# KiCad board RP2040_Fullsize.kicad_pcb (continued)
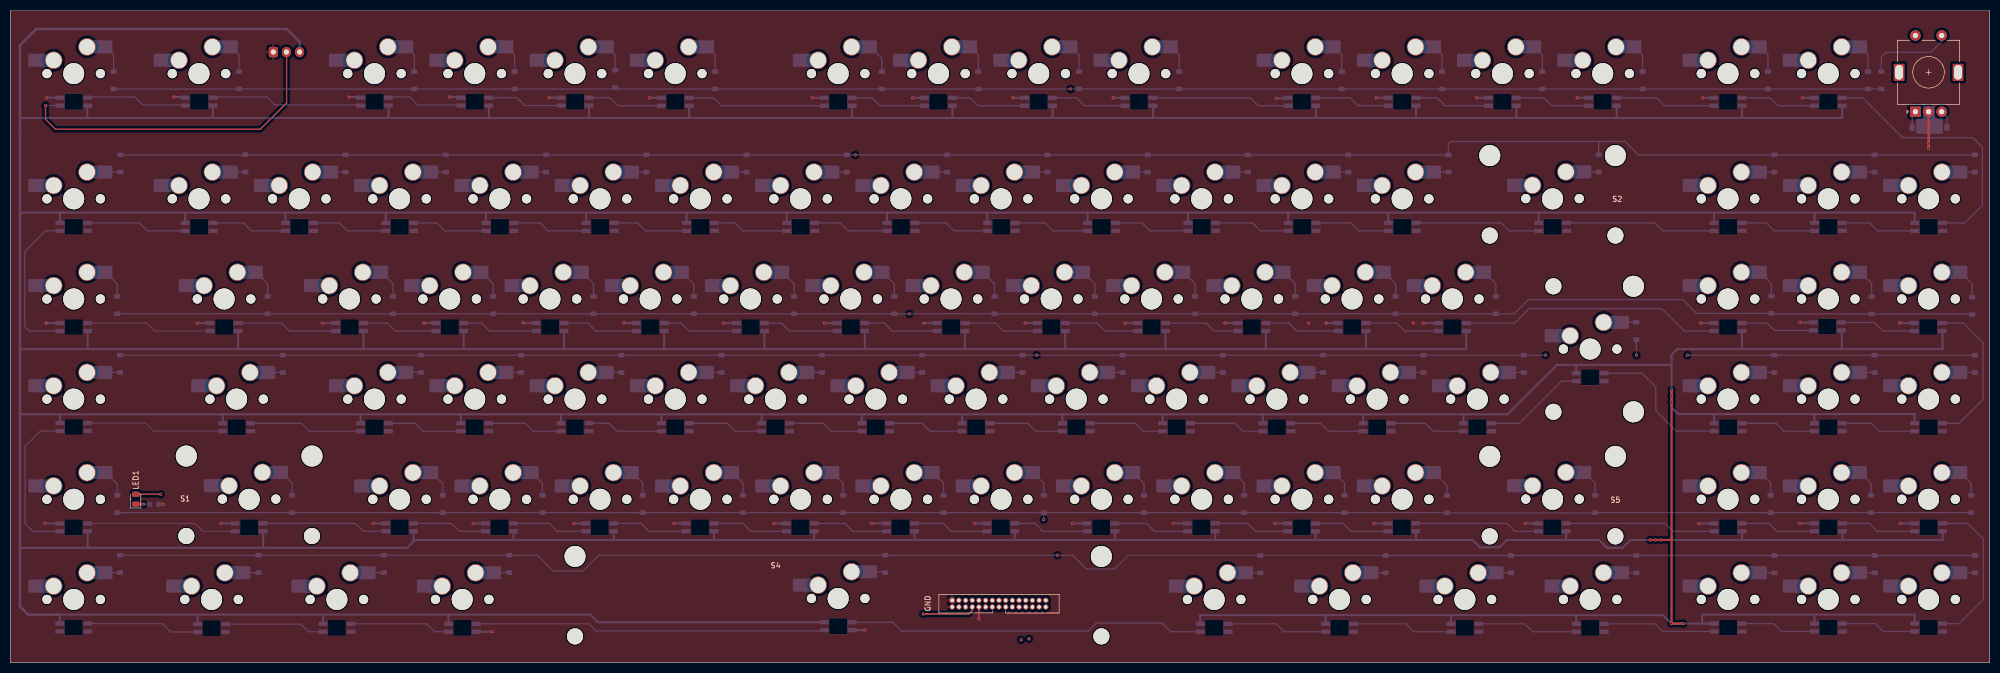
[diagram p0: board, top side]
## Routing (per net, layer and track width the routed paths; a pad name or vN(x,y) marks a point on that pad's centre or on a via; arc(x,y) is an arc through that point) (continued)
Net-(D48-A): length 5.5
  Bottom w0.25: MX48.2 282.21,72.03 D48.2
Net-(D49-A): length 5.4
  Bottom w0.25: MX49.2 334.55,72.08 D49.2
Net-(D50-A): length 5.5
  Bottom w0.25: MX50.2 353.6,72.08 D50.2
Net-(D51-A): length 5.6
  Bottom w0.25: MX51.2 372.71,72.02 D51.2
Net-(D52-A): length 2.7
  Bottom w0.25: MX52.2 20.78,55.17
Net-(D53-A): length 2.7
  Bottom w0.25: MX53.2 51.74,55.17
Net-(D54-A): length 2.7
  Bottom w0.25: MX54.2 77.93,55.17
Net-(D55-A): length 2.7
  Bottom w0.25: MX55.2 96.98,55.17
Net-(D56-A): length 2.7
  Bottom w0.25: MX56.2 116.03,55.17
Net-(D57-A): length 2.7
  Bottom w0.25: MX57.2 135.08,55.17
Net-(D58-A): length 2.7
  Bottom w0.25: MX58.2 154.13,55.17
Net-(D59-A): length 2.7
  Bottom w0.25: MX59.2 173.18,55.17
Net-(D60-A): length 2.7
  Bottom w0.25: MX60.2 192.23,55.17
Net-(D61-A): length 2.7
  Bottom w0.25: MX61.2 211.28,55.17
Net-(D62-A): length 2.7
  Bottom w0.25: MX62.2 230.33,55.17
Net-(D63-A): length 2.7
  Bottom w0.25: MX63.2 249.38,55.17
Net-(D64-A): length 2.7
  Bottom w0.25: 265.74,55.17 268.43,55.17
Net-(D65-A): length 2.7
  Bottom w0.25: MX65.2 287.48,55.17
Net-(D66-A): length 2.7
  Bottom w0.25: MX66.2 308.89,64.69
Net-(D67-A): length 2.7
  Bottom w0.25: MX67.2 335.08,55.17
Net-(D68-A): length 2.7
  Bottom w0.25: MX68.2 354.16,55.17
Net-(D69-A): length 2.7
  Bottom w0.25: MX69.2 373.21,55.17
Net-(D70-A): length 5.2
  Bottom w0.25: D70.2 20.3,33.91 MX70.2
Net-(D71-A): length 5.2
  Bottom w0.25: D71.2 53.5,34.09 51.42,36.17
Net-(D72-A): length 5.2
  Bottom w0.25: MX72.2 82.11,34.01 D72.2
Net-(D73-A): length 5.2
  Bottom w0.25: D73.2 101.06,34.11 MX73.2
Net-(D74-A): length 5.2
  Bottom w0.25: MX74.2 120.11,34.11 D74.2
Net-(D75-A): length 5.2
  Bottom w0.25: MX75.2 139.16,34.11 D75.2
Net-(D76-A): length 5.2
  Bottom w0.25: MX76.2 158.21,34.11 D76.2
Net-(D77-A): length 5.2
  Bottom w0.25: MX77.2 177.26,34.11 D77.2
Net-(D78-A): length 5.2
  Bottom w0.25: MX78.2 196.31,34.11 D78.2
Net-(D79-A): length 5.2
  Bottom w0.25: D79.2 215.36,34.11 MX79.2
Net-(D80-A): length 5.2
  Bottom w0.25: D80.2 234.41,34.11 MX80.2
Net-(D81-A): length 5.2
  Bottom w0.25: MX81.2 253.46,34.11 D81.2
Net-(D82-A): length 5.4
  Bottom w0.25: D82.2 272.9,33.72 MX82.2
Net-(D83-A): length 5.2
  Bottom w0.25: MX83.2 301.09,34.14 D83.2
Net-(D84-A): length 5.2
  Bottom w0.25: MX84.2 334.43,34.11 D84.2
Net-(D85-A): length 5.2
  Bottom w0.25: D85.2 353.47,34.11 MX85.2
Net-(D86-A): length 5.2
  Bottom w0.25: D86.2 372.52,34.11 MX86.2
Net-(D87-A): length 2.7
  Bottom w0.25: MX87.2 20.77,17.07
Net-(D88-A): length 2.8
  Bottom w0.25: MX88.2 47.09,17.07
Net-(D89-A): length 2.8
  Bottom w0.25: MX89.2 70.9,17.07
Net-(D90-A): length 2.8
  Bottom w0.25: MX90.2 94.72,17.07
Net-(D91-A): length 2.7
  Bottom w0.25: 163.3,17.28 166,17.28
Net-(D92-A): length 2.7
  Bottom w0.25: MX92.2 237.44,17.07
Net-(D93-A): length 2.7
  Bottom w0.25: MX93.2 261.26,17.07
Net-(D94-A): length 2.7
  Bottom w0.25: MX94.2 285.07,17.07
Net-(D95-A): length 2.7
  Bottom w0.25: MX95.2 308.88,17.07
Net-(D96-A): length 2.7
  Bottom w0.25: MX96.2 335.13,17.07
Net-(D97-A): length 2.7
  Bottom w0.25: MX97.2 354.18,17.07
Net-(D98-A): length 2.7
  Bottom w0.25: MX98.2 373.23,17.07
Net-(D99-A): length 16.6
  Bottom w0.25: ROTARY1.S1 366.93,118.13 364.88,116.08 356.32,116.08 355.45,115.2 D99.2
Net-(LED1-K): length 2.6
  Top w0.25: LED1.1 25.29,30.13 v1(25.31,30.1)
  Bottom w0.25: 25.31,30.1 26.33,30.1 R11.1
Net-(RGB1-DOUT): length 19.3
  Bottom w0.25: 33.26,106.05 25.07,106.05 23.57,107.55 14.59,107.55
Net-(RGB2-DOUT): length 28.7
  Bottom w0.25: 38.44,107.55 48.73,107.55 50.23,106.05 66.56,106.05
Net-(RGB3-DOUT): length 14.5
  Bottom w0.25: 85.61,106.05 77.33,106.05 75.83,107.55 71.74,107.55
Net-(RGB4-DOUT): length 14.4
  Bottom w0.25: RGB5.4 97.7,105.93 96.2,107.43 RGB4.2
Net-(RGB5-DOUT): length 14.4
  Bottom w0.25: RGB6.4 115.4,105.9 113.88,107.43 RGB5.2
Net-(RGB6-DOUT): length 26.3
  Bottom w0.25: RGB6.2 133.55,107.4 135.05,105.9 RGB7.4
Net-(RGB7-DOUT): length 14.4
  Bottom w0.25: RGB8.4 165.17,105.9 163.67,107.4 RGB7.2
Net-(RGB8-DOUT): length 14.4
  Bottom w0.25: RGB8.2 182.3,107.4 183.8,105.9 RGB9.4
Net-(RGB10-DIN): length 14.4
  Bottom w0.25: RGB10.4 204.05,105.9 202.55,107.4 RGB9.2
Net-(RGB10-DOUT): length 26.3
  Bottom w0.25: RGB11.4 237.1,105.9 235.6,107.4 RGB10.2
Net-(RGB11-DOUT): length 14.4
  Bottom w0.25: RGB12.4 256,105.9 254.5,107.4 RGB11.2
Net-(RGB12-DOUT): length 14.4
  Bottom w0.25: RGB13.4 272.55,105.9 271.05,107.4 RGB12.2
Net-(RGB13-DOUT): length 14.4
  Bottom w0.25: RGB14.4 292.8,105.9 291.3,107.4 RGB13.2
Net-(RGB14-DOUT): length 19.1
  Bottom w0.25: RGB14.2 312.8,107.4 314.3,105.9 RGB15.4
Net-(RGB15-DOUT): length 14.4
  Bottom w0.25: RGB15.2 334.3,107.4 335.8,105.9 RGB16.4
Net-(RGB16-DOUT): length 50.5
  Bottom w0.25: RGB16.2 351.9,107.4 359.5,99.8 372.85,99.8 374.65,98 374.65,86.95 371.3,83.6 RGB34.4
Net-(RGB17-DIN): length 19.1
  Bottom w0.25: RGB17.4 24.5,83.6 26,82.1 RGB18.2
Net-(RGB17-DOUT): length 29.6
  Bottom w0.25: RGB17.2 6.7,82.1 2.7,78.1 2.7,63.9 3.55,63.05 RGB35.4
Net-(RGB18-DIN): length 14.4
  Bottom w0.25: RGB18.4 44.3,83.6 45.8,82.1 RGB19.2
Net-(RGB19-DIN): length 14.4
  Bottom w0.25: RGB20.2 64,82.1 62.5,83.6 RGB19.4
Net-(RGB20-DIN): length 14.4
  Bottom w0.25: RGB20.4 81,83.6 82.5,82.1 RGB21.2
Net-(RGB21-DIN): length 14.4
  Bottom w0.25: RGB22.2 102.1,82.1 100.6,83.6 RGB21.4
Net-(RGB22-DIN): length 14.4
  Bottom w0.25: RGB23.2 120.65,82.1 119.15,83.6 RGB22.4
Net-(RGB23-DIN): length 14.4
  Bottom w0.25: RGB23.4 137.6,83.6 139.1,82.1 RGB24.2
Net-(RGB24-DIN): length 14.4
  Bottom w0.25: RGB25.2 159.15,82.1 157.65,83.6 RGB24.4
Net-(RGB25-DIN): length 14.4
  Bottom w0.25: RGB25.4 177.75,83.6 179.25,82.1 RGB26.2
Net-(RGB26-DIN): length 14.4
  Bottom w0.25: RGB26.4 196.55,83.6 198.05,82.1 RGB27.2
Net-(RGB27-DIN): length 14.4
  Bottom w0.25: RGB28.2 216.5,82.1 215,83.6 RGB27.4
Net-(RGB28-DIN): length 14.4
  Bottom w0.25: RGB28.4 235.95,83.6 237.45,82.1 RGB29.2
Net-(RGB29-DIN): length 14.4
  Bottom w0.25: RGB30.2 256.2,82.1 254.7,83.6 RGB29.4
Net-(RGB30-DIN): length 23.9
  Bottom w0.25: RGB30.4 283.25,83.6 284.75,82.1 RGB31.2
Net-(RGB31-DIN): length 28.7
  Bottom w0.25: RGB31.4 312.35,83.6 313.85,82.1 RGB32.2
Net-(RGB32-DIN): length 14.4
  Bottom w0.25: RGB33.2 335.1,82.1 333.6,83.6 329,83.6
Net-(RGB33-DIN): length 14.4
  Bottom w0.25: RGB34.2 354.75,82.1 353.25,83.6 RGB33.4
Net-(RGB35-DOUT): length 23.9
  Bottom w0.2: RGB36.4 27.35,63.05 25.85,64.55 RGB35.2
Net-(RGB36-DOUT): length 19.1
  Bottom w0.25: RGB36.2 51.5,64.55 53,63.05 RGB37.4
Net-(RGB37-DOUT): length 14.4
  Bottom w0.25: RGB38.4 73.05,63.05 71.55,64.55 RGB37.2
Net-(RGB38-DOUT): length 14.4
  Bottom w0.25: RGB38.2 89.55,64.55 91.05,63.05 RGB39.4
Net-(RGB39-DOUT): length 14.4
  Bottom w0.25: RGB40.4 111.2,63.05 109.7,64.55 RGB39.2
Net-(RGB40-DOUT): length 14.4
  Bottom w0.25: RGB41.4 128.9,63.05 127.4,64.55 RGB40.2
Net-(RGB41-DOUT): length 14.4
  Bottom w0.25: RGB41.2 146.5,64.55 148,63.05 RGB42.4
Net-(RGB42-DOUT): length 14.4
  Bottom w0.25: RGB43.4 167.5,63.05 166,64.55 RGB42.2
Net-(RGB43-DOUT): length 14.4
  Bottom w0.25: RGB43.2 187.1,64.55 188.6,63.05 RGB44.4
Net-(RGB44-DOUT): length 14.4
  Bottom w0.25: RGB44.2 206.4,64.55 207.9,63.05 RGB45.4
Net-(RGB45-DOUT): length 14.4
  Bottom w0.25: RGB45.2 227.15,64.55 228.65,63.05 RGB46.4
Net-(RGB46-DOUT): length 14.4
  Bottom w0.25: RGB47.4 244.35,63.05 242.85,64.55 RGB46.2
Net-(RGB47-DOUT): length 14.4
  Bottom w0.25: RGB47.2 263.35,64.55 264.85,63.05 RGB48.4
Net-(RGB48-DOUT): length 50
  Bottom w0.25: RGB49.4 318,63.05 313.75,67.3 288.55,67.3 285.8,64.55 RGB48.2
Net-(RGB49-DOUT): length 14.1
  Bottom w0.25: RGB50.4 335.14,63.16 333.75,64.55 RGB49.2
Net-(RGB50-DOUT): length 14.5
  Bottom w0.25: RGB50.2 354.14,64.66 355.74,63.06 RGB51.4
Net-(RGB51-DOUT): length 29.7
  Bottom w0.25: RGB69.4 370.24,45.49 374.8,50.05 374.8,60.8 371.04,64.56 RGB51.2
Net-(RGB52-DIN): length 26.3
  Bottom w0.2: RGB53.2 27.2,44 25.67,45.53 RGB52.4
Net-(RGB52-DOUT): length 29.7
  Bottom w0.25: RGB70.4 4.23,24.94 2.77,26.4 2.77,41.13 5.68,44.03 RGB52.2
Net-(RGB53-DIN): length 21.5
  Bottom w0.25: RGB53.4 55.28,45.5 56.78,43.99 RGB54.2
Net-(RGB54-DIN): length 14.4
  Bottom w0.25: RGB55.2 78.31,43.99 76.81,45.49 RGB54.4
Net-(RGB55-DIN): length 14.4
  Bottom w0.25: RGB56.2 99.31,43.99 97.81,45.49 RGB55.4
Net-(RGB56-DIN): length 14.4
  Bottom w0.25: RGB57.2 115.21,43.99 113.71,45.49 RGB56.4
Net-(RGB57-DIN): length 14.4
  Bottom w0.25: RGB57.4 136.21,45.49 137.71,43.99 RGB58.2
Net-(RGB58-DIN): length 14.4
  Bottom w0.25: RGB58.4 154.41,45.49 155.91,43.99 RGB59.2
Net-(RGB59-DIN): length 14.4
  Bottom w0.25: RGB59.4 173.21,45.49 174.71,43.99 RGB60.2
Net-(RGB60-DIN): length 14.4
  Bottom w0.25: RGB61.2 194.81,43.99 193.31,45.49 RGB60.4
Net-(RGB61-DIN): length 14.4
  Bottom w0.25: 205.15,45.49 213.71,45.49 215.21,43.99 RGB62.2
Net-(RGB62-DIN): length 14.4
  Bottom w0.25: RGB62.4 232.61,45.49 234.11,43.99 RGB63.2
Net-(RGB63-DIN): length 14.4
  Bottom w0.25: RGB63.4 248.91,45.49 250.41,43.99 RGB64.2
Net-(RGB64-DIN): length 14.4
  Bottom w0.25: RGB65.2 270.31,43.99 268.81,45.49 262.3,45.49
Net-(RGB65-DIN): length 19.5
  Bottom w0.25: RGB66.2 294.72,53.52 286.69,45.49 RGB65.4
Net-(RGB66-DIN): length 28.1
  Bottom w0.25: RGB66.4 309.98,55.02 312.6,52.4 312.6,47.9 316.5,44 RGB67.2
Net-(RGB67-DIN): length 14.3
  Bottom w0.25: RGB68.2 336.96,43.99 335.45,45.5 329,45.5
Net-(RGB68-DIN): length 14.4
  Bottom w0.25: RGB68.4 353.61,45.49 355.11,43.99 RGB69.2
Net-(RGB70-DOUT): length 28.7
  Bottom w0.2: RGB70.2 35.06,26.44 36.55,24.95 RGB71.4
Net-(RGB71-DOUT): length 23.9
  Bottom w0.25: RGB71.2 65.5,26.45 67,24.95 RGB72.4
Net-(RGB72-DOUT): length 14.3
  Bottom w0.25: RGB72.2 83.75,26.45 85.25,24.95 RGB73.4
Net-(RGB73-DOUT): length 14.4
  Bottom w0.25: RGB74.4 103.85,24.95 102.35,26.45 RGB73.2
Net-(RGB74-DOUT): length 14.4
  Bottom w0.25: RGB75.4 121.3,24.95 119.8,26.45 RGB74.2
Net-(RGB75-DOUT): length 14.4
  Bottom w0.25: RGB75.2 139.15,26.45 140.65,24.95 RGB76.4
Net-(RGB76-DOUT): length 14.4
  Bottom w0.25: RGB77.4 160,24.95 158.5,26.45 RGB76.2
Net-(RGB77-DOUT): length 14.4
  Bottom w0.25: RGB77.2 177.25,26.45 178.75,24.95 RGB78.4
Net-(RGB78-DOUT): length 14.4
  Bottom w0.25: RGB78.2 194.65,26.45 196.15,24.95 RGB79.4
Net-(RGB79-DOUT): length 14.4
  Bottom w0.25: RGB79.2 215.85,26.45 217.35,24.95 RGB80.4
Net-(RGB80-DOUT): length 14.4
  Bottom w0.25: RGB80.2 235.1,26.45 236.6,24.95 RGB81.4
Net-(RGB81-DOUT): length 14.4
  Bottom w0.25: RGB81.2 253.2,26.45 254.7,24.95 RGB82.4
Net-(RGB82-DOUT): length 23.9
  Bottom w0.25: RGB83.4 285.85,24.95 284.35,26.45 RGB82.2
Net-(RGB83-DOUT): length 28.7
  Bottom w0.25: RGB83.2 314.35,26.45 315.85,24.95 RGB84.4
Net-(RGB84-DOUT): length 14.4
  Bottom w0.25: RGB85.4 335.6,24.95 334.1,26.45 329,26.45
Net-(RGB85-DOUT): length 14.4
  Bottom w0.25: RGB85.2 353.15,26.45 354.65,24.95 RGB86.4
Net-(RGB86-DOUT): length 30.1
  Bottom w0.25: RGB98.4 370.25,7.4 374.85,12 374.85,23.45 371.85,26.45 RGB86.2
Net-(RGB87-DIN): length 21.6
  Bottom w0.25: RGB88.2 30.43,5.8 28.82,7.4 RGB87.4
Net-(RGB88-DIN): length 19.1
  Bottom w0.25: RGB88.4 55.15,7.3 56.6,5.85 RGB89.2
Net-(RGB89-DIN): length 19.1
  Bottom w0.25: RGB89.4 79.05,7.35 80.55,5.85 RGB90.2
Net-(RGB90-DIN): length 66.5
  Bottom w0.25: RGB90.4 109.9,7.35 111.25,6 154.46,6
Net-(RGB91-DIN): length 67.7
  Bottom w0.25: RGB91.4 167.61,7.65 169.29,5.98 204.77,5.98 206.29,7.5 218.8,7.5 220.45,5.85 225.62,5.85
Net-(RGB92-DIN): length 19.1
  Bottom w0.25: RGB92.4 240.47,7.35 241.97,5.85 RGB93.2
Net-(RGB93-DIN): length 19.1
  Bottom w0.25: RGB94.2 266.61,5.85 265.11,7.35 RGB93.4
Net-(RGB94-DIN): length 19.1
  Bottom w0.25: RGB94.4 287.71,7.35 289.21,5.85 RGB95.2
Net-(RGB95-DIN): length 21.5
  Bottom w0.25: RGB95.4 312.45,7.35 313.9,5.9 RGB96.2
Net-(RGB96-DIN): length 14.4
  Bottom w0.25: 329,7.4 335,7.4 336.5,5.9 RGB97.2
Net-(RGB97-DIN): length 14.4
  Bottom w0.25: RGB97.4 354.3,7.4 355.8,5.9 RGB98.2

## Copper pours and planes (outline as drawn; the poured copper is in the pictures)
GND on Bottom (solid shape): 363.4,105.8 363.4,103.4 362.1,103.4 362.1,100.6 367.1,100.6 367.1,103.4 365.6,103.4 365.6,105.8
GND on Top, Bottom, In1.Cu, In2.Cu: 0,124 0,0 376,0 376,124

## Text on the board
B.Silkscreen: GND | C0 | R_B | C1 | R_A | C2 | CAPS | C3 | C4 | R5 | C5 | R4 | C6 | R3 | C7 | R2 | C8 | R1 | C9 | R0 | C10 | C17 | C11 | C16 | C15 | C12 | C14 | C13 | keyboard-layout-editor.com / Echo EN017_BRD2 | - | + | DATA
F.Silkscreen: GND
User.1: Make sure you can get Shift Keys in 2u | Echo ENR2
User.7: 12 | 13 | 14 | 15
